# Altium PCB iMX6 Rex_V1I1_PCB.PcbDoc (part 3 of 8)
Units mm, origin at the board's own origin, x right, y up, seen from the top; angles counter-clockwise.
Board outline 70 x 40 mm, 12 copper layers (L1, L2, L3, L4, L5 (PWR), L6 (PWR), L7 (PWR), L8 (PWR), L9, L10, L11, L12), stack 1.566 mm thick; 473 components, 409 nets, 2294 pads, 1880 vias.
Unrouted connection lines stored in the file: 7.
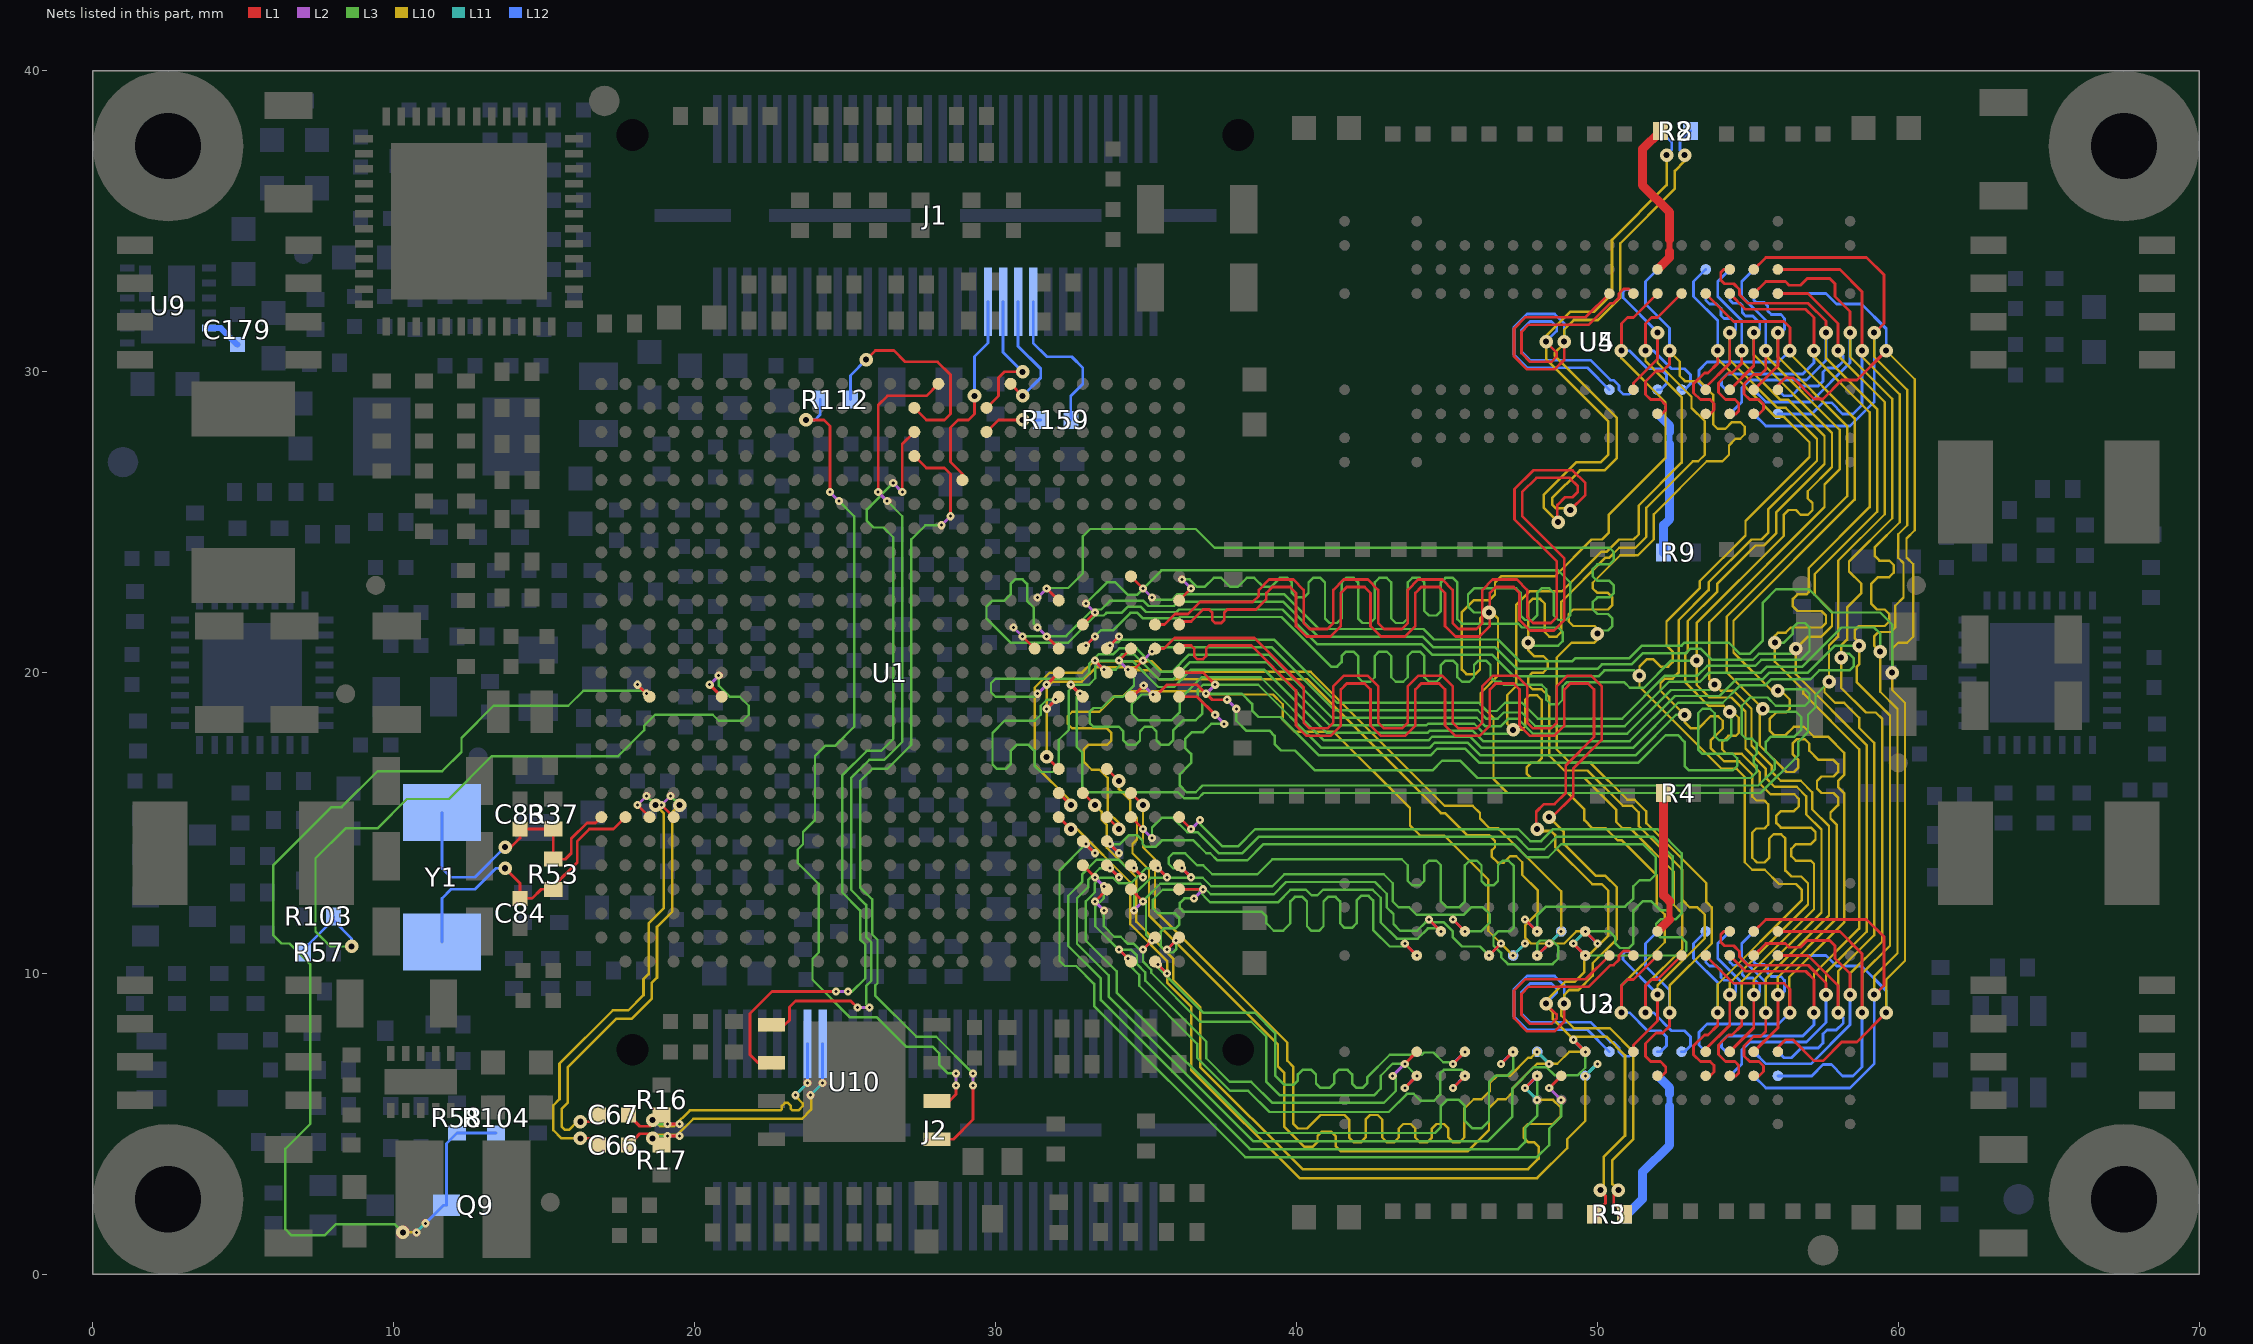
[diagram p13: the nets of this part, all layers, seen from the top]

## Via types
v1: diameter 0.45, hole 0.2, L1 to L12, tented both sides, 761 vias
v2: diameter 0.27, hole 0.1, L1 to L2, 305 vias
v3: diameter 0.27, hole 0.1, L2 to L3, 290 vias
v4: diameter 0.45, hole 0.2, L3 to L10, 196 vias
v5: diameter 0.27, hole 0.1, L11 to L12, 185 vias
v6: diameter 0.27, hole 0.1, L10 to L11, 142 vias
v7: diameter 0.45, hole 0.2, L3 to L10, tented both sides, 1 vias

## Nets (pads, with @x,y where several pads share a name; then routed paths per layer and width w, separated by ;. In a path a pad name is that pad's centre, name@x,y a point inside that pad or via, vN(x,y) a via of type N, cw(c..) or ccw(c..) an arc to the next point about the centre after c; other vN are vias at no path point) (continued)
BOOT_MODE0: Q9.3 R58.2 R104.1 U1.C12 | length 39.1
  L1 w0.093: v2(18.1,19.6) U1.C12@18.5,19.2
  L2 w0.1: v2(18.1,19.6) v3(18.4,19.3)
  L3 w0.08: v4(10.3,1.4) 10.025,1.675 8.075,1.675 7.7,1.3 6.6,1.3 6.4,1.5 6.4,4.175 7.225,5 7.225,10.305 6.53,11 6.27,11 6,11.27 6,13.604 7.926,15.53 8.265,15.53 9.459,16.725 11.608,16.725 12.25,17.367 12.25,17.833 13.317,18.9 15.8,18.9 16.3,19.4 18.3,19.4 v3(18.4,19.3)
  L10 w0.08: v4(10.3,1.4) v6(10.75,1.4)
  L11 w0.1: v6(10.75,1.4) v5(11.05,1.7)
  L12 w0.093: v5(11.05,1.7) 11.65,2.3 Q9.3@11.75,2.3 11.75,4.35 R58.2@12.1,4.7 R104.1@13.4,4.7
BOOT_MODE1: R57.2 R103.1 U1.F12 | length 26.1
  L1 w0.093: v2(20.5,19.6) U1.F12@20.9,19.2
  L2 w0.1: v2(20.5,19.6) v3(20.8,19.9)
  L3 w0.08: v1(8.6,10.9) 7.9,10.9 7.4,11.4 7.4,13.83 8.395,14.825 9.455,14.825 10.43,15.8 11.831,15.8 13.256,17.225 17.461,17.225 18.325,18.089 18.325,18.238 18.687,18.6 20.6,18.6 20.8,18.4 21.6,18.4 21.8,18.6 21.8,18.9 21.5,19.2 21.17,19.2 20.8,19.57 v3(20.8,19.9)
  L12 w0.093: R57.2@7,10.7 7,10.8 R103.1@8,11.8 ; R103.1@8,11.9 R103.1@8,11.8 ; v1(8.6,10.9) 8.6,11.17 8,11.77 R103.1@8,11.8
CFF: C179.2 U9.11 | length 1.2
  L12 w0.2: U9.11@3.86,31.45 4.25,31.45 C179.2@4.8,30.9
CLK1_C_N: C66.1 U1.C7 | length 15.9
  L1 w0.09: v1(16.2,4.525) 16.575,4.525 C66.1@16.8,4.3 ; v2(18.1,15.6) U1.C7@18.5,15.2
  L2 w0.1: v2(18.1,15.6) v3(18.4,15.9)
  L3 w0.085: v3(18.4,15.9) v4(18.7,15.6)
  L10 w0.085: v1(16.2,4.525) 15.575,4.525 15.3,4.8 15.3,5.616 15.508,5.824 15.508,7.004 17.284,8.78 17.8,8.78 18.3,9.28 18.3,9.816 18.468,9.983 18.468,11.664 18.97,12.167 18.97,15.33 v4(18.7,15.6)
CLK1_C_P: C67.1 U1.D7 | length 15.8
  L1 w0.09: v1(16.2,5.075) 16.575,5.075 C67.1@16.8,5.3 ; v2(18.9,15.6) U1.D7@19.3,15.2
  L2 w0.1: v2(18.9,15.6) v3(19.2,15.9)
  L3 w0.085: v3(19.2,15.9) v4(19.5,15.6)
  L10 w0.085: v1(16.2,5.075) 16.096,5.075 15.826,4.805 15.691,4.805 15.58,4.916 15.58,5.5 15.788,5.708 15.788,6.888 17.4,8.5 17.916,8.5 18.58,9.164 18.58,9.7 18.748,9.867 18.748,11.548 19.25,12.051 19.25,15.35 ; 19.25,15.35 v4(19.5,15.6) 19.25,15.35
CLK1_N: C66.2 J2.46 R17.2 | length 11.1
  L1 w0.09: C66.2@17.8,4.3 18.175,4.675 18.525,4.675 R17.2@18.9,4.3 19.2,4.6 v2(19.5,4.6)
  L2 w0.1: v3(19.1,4.6) v2(19.5,4.6)
  L3 w0.085: v4(18.6,4.525) 18.675,4.6 v3(19.1,4.6)
  L10 w0.085: v4(18.6,4.525) 18.725,4.65 19.431,4.65 19.953,5.173 23.568,5.173 23.87,5.474 23.87,5.937 v6(23.85,5.957)
  L11 w0.1: v6(23.85,5.957) v5(24.25,6.358)
  L12 w0.09: v5(24.25,6.358) J2.46@24.25,7.67
CLK1_P: C67.2 J2.48 R16.2 | length 11.1
  L1 w0.09: C67.2@17.8,5.3 18.175,4.925 18.525,4.925 R16.2@18.9,5.3 19.2,5 v2(19.5,5)
  L2 w0.1: v3(19.1,5) v2(19.5,5)
  L3 w0.085: v4(18.6,5.125) 18.725,5 v3(19.1,5)
  L10 w0.085: v4(18.6,5.125) 18.654,5.125 18.849,4.93 19.315,4.93 19.838,5.453 22.853,5.453 22.9,5.5 22.9,5.6 23,5.7 23.1,5.7 23.2,5.6 23.2,5.5 23.247,5.453 23.453,5.453 23.59,5.59 23.59,5.69 23.35,5.931 v6(23.35,5.957)
  L11 w0.1: v6(23.35,5.957) v5(23.75,6.358)
  L12 w0.09: v5(23.75,6.358) J2.48@23.75,7.67
CPU_XTALI: C83.1 R37.1 R53.1 U1.A7 Y1.1 | length 10
  L1 w0.093: v1(13.7,14.2) 13.9,14.2 14.2,14.5 C83.1@14.2,14.8 R37.1@15.3,14.8 R53.1@15.3,13.8 15.7,13.8 15.9,14 15.9,14.483 16.417,15 16.7,15 U1.A7@16.9,15.2
  L12 w0.093: Y1.1@11.6,15.35 11.6,13.5 11.9,13.2 12.7,13.2 v1(13.7,14.2)
CPU_XTALO: C84.1 R53.2 U1.B7 Y1.2 | length 10.2
  L1 w0.093: v1(13.7,13.5) 14.2,13 14.2,12.6 C84.1@14.3,12.6 ; C84.1@14.2,12.5 14.6,12.5 14.9,12.8 R53.2@15.3,12.8 ; R53.2@15.3,12.9 16.1,13.7 16.1,14.4 16.5,14.8 17.3,14.8 U1.B7@17.7,15.2
  L12 w0.093: Y1.2@11.6,11.05 11.6,12.5 11.9,12.8 12.7,12.8 13.4,13.5 v1(13.7,13.5)
CSPI2_CLK: J1.17 R159.2 | length 5.3
  L12 w0.093: J1.17@31.25,32.33 31.25,30.955 31.705,30.5 32.53,30.5 32.9,30.13 32.9,29.6 32.5,29.2 R159.2@32.5,28.4
CSPI2_CLK_R: R159.1 U1.U23 | length 2
  L1 w0.093: U1.U23@29.7,28 30.1,28.4 v1(30.9,28.4)
  L12 w0.093: v1(30.9,28.4) R159.1@31.5,28.4
CSPI2_CS0: J1.19 U1.V25 | length 4.3
  L1 w0.093: U1.V25@30.5,29.6 v1(30.9,29.2)
  L12 w0.093: J1.19@30.75,32.33 30.75,30.85 31.5,30.1 31.5,29.8 v1(30.9,29.2)
CSPI2_MISO: J1.21 U1.U24 | length 4.6
  L1 w0.093: U1.U24@29.7,28.8 30.1,29.2 30.1,29.8 30.3,30 v1(30.9,30)
  L12 w0.093: J1.21@30.25,32.33 30.25,30.65 v1(30.9,30)
CSPI2_MOSI: J1.23 U1.T21 | length 6.8
  L1 w0.093: U1.T21@28.9,26.4 28.9,26.6 28.5,27 28.5,28.15 28.75,28.4 29.1,28.4 29.3,28.6 v1(29.3,29.2)
  L12 w0.093: v1(29.3,29.2) 29.3,30.505 29.75,30.955 J1.23@29.75,32.33
CSPI3_CLK: R112.2 U10.6 | length 29.7
  L1 w0.093: v1(23.7,28.4) 24.3,28.4 24.5,28.2 v2(24.5,26) ; U10.6@28.05,5.765 28.465,5.765 28.688,5.988 v2(28.688,6.28)
  L2 w0.1: v2(24.5,26) v3(24.8,25.7) ; v2(28.688,6.28) v3(28.688,6.68)
  L3 w0.08: v3(24.8,25.7) 25.3,25.2 25.3,18.2 24.675,17.575 24.345,17.575 24,17.23 24,15.1 23.6,14.7 23.6,14.297 23.425,14.122 23.425,13.678 24.125,12.978 24.125,10.7 23.915,10.49 23.915,9.795 25.168,8.543 26.057,8.543 27.027,7.573 27.905,7.573 28.125,7.353 28.125,6.975 28.42,6.68 v3(28.688,6.68)
  L12 w0.093: v1(23.7,28.4) 24,28.4 24.175,28.575 R112.2@24.175,29.075
CSPI3_CLK_R: R112.1 U1.P24 | length 7.6
  L1 w0.093: v1(25.7,30.4) 26.005,30.705 26.625,30.705 27,30.33 28.07,30.33 28.5,29.9 28.5,28.6 28.3,28.4 27.7,28.4 U1.P24@27.3,28.8
  L12 w0.093: R112.1@25.175,29.075 25.175,29.875 v1(25.7,30.4)
CSPI3_CS2: U1.R25 U10.1 | length 28
  L1 w0.093: U10.1@22.55,8.305 23.005,8.305 23.15,8.45 23.15,8.893 23.35,9.093 25.188,9.093 v2(25.413,8.868) ; v2(26.1,26) 26.1,28.895 26.405,29.2 27.7,29.2 U1.R25@28.1,29.6
  L2 w0.1: v2(25.413,8.868) v3(25.812,8.868) ; v2(26.1,26) v3(26.4,25.7)
  L3 w0.08: v3(25.812,8.868) 25.7,8.98 25.7,9.587 25.875,9.762 25.875,11.038 25.7,11.213 25.7,12.283 25.2,12.783 25.2,16.5 25.8,17.1 26.3,17.1 26.9,17.7 26.9,25.2 v3(26.4,25.7)
CSPI3_MISO: U1.P23 U10.2 | length 27.8
  L1 w0.093: U10.2@22.55,7.035 22.107,7.035 21.84,7.302 21.84,8.667 22.573,9.4 v2(24.7,9.4) ; v2(26.9,26) 26.9,27.6 U1.P23@27.3,28
  L2 w0.1: v2(24.7,9.4) v3(25.1,9.4) ; v3(26.6,26.3) v2(26.9,26)
  L3 w0.08: v3(25.1,9.4) 25.23,9.4 25.675,9.845 25.675,10.955 25.5,11.13 25.5,12.1 24.9,12.7 24.9,16.583 25.717,17.4 26.201,17.4 26.6,17.799 26.6,24.5 26.275,24.825 25.945,24.825 25.725,25.045 25.725,25.428 26.597,26.3 v3(26.6,26.3)
CSPI3_MOSI: U1.P22 U10.5 | length 28.2
  L1 w0.093: U1.P22@27.3,27.2 27.7,26.8 28.3,26.8 28.5,26.6 v2(28.5,25.2) ; U10.5@28.05,4.495 28.6,4.495 29.25,5.145 v2(29.25,6.28)
  L2 w0.1: v3(28.2,24.9) v2(28.5,25.2) ; v2(29.25,6.28) v3(29.25,6.68)
  L3 w0.08: v3(28.2,24.9) 27.67,24.9 27.2,24.43 27.2,17.6 26.4,16.8 25.9,16.8 25.5,16.4 25.5,12.866 25.9,12.466 25.9,11.3 26.075,11.125 26.075,9.679 25.998,9.602 25.998,9.272 27.37,7.9 28.03,7.9 v3(29.25,6.68)
DRAM0_ZQ: R4.2 U2.L8 | length 4.8
  L1 w0.2: 52.4,11.8 52.4,12.401
  L1 w0.3: U2.L8@52,11.4 52.4,11.8 ; R4.2@52.2,16 52.2,12.601 52.4,12.401
DRAM1_ZQ: R5.2 U3.L8 | length 5.4
  L12 w0.2: 52.4,5.599 52.4,6.001
  L12 w0.3: R5.2@50.9,2 51,2 51.5,2.5 51.5,3.4 52.4,4.3 52.4,5.599 ; U3.L8@52,6.6 52.4,6.2 52.4,6.001
DRAM2_ZQ: R8.2 U4.L8 | length 5.4
  L1 w0.2: 52.4,33.999 52.4,34.401
  L1 w0.3: U4.L8@52,33.4 52.4,33.8 52.4,33.999 ; R8.2@52.1,38 51.5,37.4 51.5,36.2 52.4,35.3 52.4,34.401
DRAM3_ZQ: R9.2 U5.L8 | length 4.8
  L12 w0.2: 52.4,27.599 52.4,28.001
  L12 w0.3: U5.L8@52,28.6 52.4,28.2 52.4,28.001 ; R9.2@52.2,24 52.2,24.9 52.4,25.1 52.4,27.599
DRAM_A0: U1.AC14 U2.N3 U3.N3 U4.N3 U5.N3 | length 70.8
  L1 w0.093: v2(34.1,20.4) U1.AC14@34.5,20.8 ; U2.N3@53.6,7.4 53.6,7.483 54.4,8.283 v1(54.4,9.3) ; U4.N3@53.6,29.4 53.6,29.483 54.4,30.283 v1(54.4,31.3)
  L2 w0.1: v2(34.1,20.4) v3(34.4,20.1)
  L3 w0.08: v3(34.4,20.1) 34.6,19.9 34.6,19.57 34.23,19.2 33.903,19.2 33.528,18.825 33.25,18.825 33.125,18.7 33.125,18.325 33.25,18.2 34.1,18.2 34.25,18.05 34.25,17.75 34.4,17.6 34.65,17.6 34.8,17.75 34.8,18.05 34.95,18.2 35.2,18.2 35.35,18.05 35.35,17.75 35.5,17.6 35.75,17.6 35.9,17.75 35.9,18.083 36.242,18.425 36.655,18.425 36.875,18.645 36.875,19.022 36.715,19.182 36.715,19.418 36.897,19.6 38.73,19.6 40.83,17.5 44.421,17.5 44.596,17.675 45.687,17.675 46.112,17.25 51.267,17.25 52.617,18.6 v4(52.9,18.6)
  L10 w0.08: v1(54.4,9.3) 54.4,9.691 57,12.291 57,13 56.775,13.225 56.448,13.225 56.25,13.423 56.25,14.488 56.109,14.629 55.859,14.629 55.709,14.479 55.709,13.841 55.559,13.691 55.309,13.691 55.15,13.85 55.15,14.689 55.28,14.82 55.55,14.82 55.675,14.945 55.675,15.625 55.55,15.75 55.28,15.75 55.15,15.88 55.15,16.616 54.716,17.05 54.216,17.05 53.766,17.5 53.766,17.75 54.166,18.15 54.166,18.4 54.016,18.55 53.766,18.55 53.366,18.15 53.116,18.15 52.9,18.366 v4(52.9,18.6) 52.1,19.4 52.1,19.65 52.25,19.8 52.5,19.8 52.7,20 52.7,21.742 53.7,22.742 53.7,23.004 55.121,24.425 55.455,24.425 55.675,24.645 55.675,25.418 57.3,27.043 57.3,27.762 56.262,28.8 55.993,28.8 54.4,30.393 v1(54.4,31.3)
  L12 w0.093: U3.N3@53.6,10.6 53.6,10.383 53.729,10.254 53.963,10.254 54.109,10.109 54.109,9.874 54.208,9.775 54.442,9.775 54.6,9.617 54.6,9.4 54.5,9.3 v1(54.4,9.3) ; U5.N3@53.6,32.6 53.6,32.383 53.729,32.254 53.963,32.254 54.109,32.109 54.109,31.874 54.208,31.775 54.442,31.775 54.6,31.617 54.6,31.4 54.5,31.3 v1(54.4,31.3)
DRAM_A1: U1.AB14 U2.P7 U3.P7 U4.P7 U5.P7 | length 74
  L1 w0.093: U1.AB14@33.7,20.8 v2(34.1,21.2) ; U2.P7@54.4,10.6 54.925,10.075 56.925,10.075 57.2,9.8 v1(57.2,8.7) ; U4.P7@54.4,32.6 54.925,32.075 56.925,32.075 57.2,31.8 v1(57.2,30.7)
  L2 w0.1: v3(33.8,20.9) v2(34.1,21.2)
  L3 w0.08: v3(33.8,20.9) 33.907,21.007 34.076,21.007 34.169,21.1 39.252,21.1 41.352,19 46.059,19 46.334,18.725 46.655,18.725 46.93,19 47.496,19 48.021,18.475 50.828,18.475 52.253,19.9 53.33,19.9 53.655,20.225 55.246,20.225 55.446,20.425 56.755,20.425 57.05,20.72 57.05,21.5 56.9,21.65 56.65,21.65 56.5,21.5 56.5,21.3 56.2,21 v4(55.9,21)
  L10 w0.08: v1(57.2,8.7) 57.2,9.993 58.7,11.493 58.7,17.454 56.85,19.304 56.85,19.413 55.9,20.363 v4(55.9,21) 55.9,21.225 56,21.325 56.255,21.325 56.43,21.5 57.45,21.5 57.6,21.65 57.6,21.9 57.45,22.05 56.65,22.05 56.5,22.2 56.5,22.45 56.65,22.6 56.95,22.6 57.025,22.675 57.025,23.475 59.05,25.5 59.05,28.657 57.2,30.507 v1(57.2,30.7)
  L12 w0.093: U3.P7@54.4,7.4 54.275,7.4 54.125,7.55 54.125,7.742 54.308,7.925 56.825,7.925 57.2,8.3 v1(57.2,8.7) ; U5.P7@54.4,29.4 54.275,29.4 54.125,29.55 54.125,29.742 54.308,29.925 56.825,29.925 57.2,30.3 v1(57.2,30.7)
DRAM_A2: U1.AA14 U2.P3 U3.P3 U4.P3 U5.P3 | length 68.5
  L1 w0.093: U1.AA14@32.9,20.8 v2(33.3,21.2) ; U2.P3@54.4,7.4 55.2,8.2 v1(55.2,9.3) ; U4.P3@54.4,29.4 55.2,30.2 v1(55.2,31.3)
  L2 w0.1: v3(33,20.9) v2(33.3,21.2)
  L3 w0.08: v3(33,20.9) 33.515,21.415 33.918,21.415 34.315,21.812 34.315,21.818 34.482,21.985 34.718,21.985 34.888,21.815 36.094,21.815 36.129,21.85 39.501,21.85 41.151,20.2 41.351,20.2 41.5,20.349 41.5,20.549 41.651,20.699 41.901,20.699 42.051,20.549 42.051,19.85 42.201,19.7 42.451,19.7 42.601,19.85 42.601,20.549 ; 42.6,20.55 42.749,20.699 43.001,20.699 43.151,20.549 43.151,19.85 43.301,19.7 43.551,19.7 43.701,19.85 43.701,20.551 43.849,20.699 44.101,20.699 44.251,20.549 44.251,19.85 44.401,19.7 44.651,19.7 44.801,19.85 44.801,20.249 44.949,20.399 45.201,20.399 45.351,20.249 45.351,19.85 45.501,19.7 45.751,19.7 45.901,19.85 45.901,20.25 46.051,20.4 46.301,20.4 46.451,20.25 46.451,19.851 46.601,19.701 46.782,19.701 46.883,19.6 48.15,19.6 48.3,19.45 48.3,19.099 48.449,18.95 48.7,18.95 48.85,19.1 48.85,19.55 48.975,19.675 50.9,19.675 51.075,19.5 51.55,19.5 52.45,20.4 v4(53.3,20.4)
  L10 w0.08: v1(55.2,9.3) 55.2,9.784 57.45,12.034 57.45,14.783 56.943,15.289 56.943,15.889 56.626,16.207 55.893,16.207 55.6,16.5 55.6,16.8 54.925,17.475 54.925,18.705 54.455,19.175 53.725,19.175 53.3,19.6 v4(53.3,20.4) 53.3,21.65 56.2,24.55 56.2,25.256 56.35,25.406 56.6,25.406 56.756,25.25 57,25.25 57.15,25.4 57.15,25.638 56.994,25.794 56.994,26.029 57.8,26.835 57.8,27.97 55.2,30.57 v1(55.2,31.3)
  L12 w0.093: U3.P3@54.4,10.6 54.4,10.383 54.504,10.279 54.738,10.279 54.816,10.201 54.816,9.967 54.929,9.854 55.163,9.854 55.4,9.617 55.4,9.4 55.3,9.3 v1(55.2,9.3) ; U5.P3@54.4,32.6 54.4,32.383 54.504,32.279 54.738,32.279 54.816,32.201 54.816,31.967 54.929,31.854 55.163,31.854 55.4,31.617 55.4,31.4 55.3,31.3 v1(55.2,31.3)
DRAM_A3: U1.Y14 U2.N2 U3.N2 U4.N2 U5.N2 | length 72.4
  L1 w0.093: v2(31.7,21.2) U1.Y14@32.1,20.8 ; U2.N2@53.6,6.6 53.75,6.6 53.875,6.725 53.875,6.95 53.75,7.075 53.425,7.075 53.2,7.3 53.2,7.6 53.563,7.963 53.68,7.963 54,8.283 v1(54,8.7) ; U4.N2@53.6,28.6 53.75,28.6 53.875,28.725 53.875,28.95 53.75,29.075 53.425,29.075 53.2,29.3 53.2,29.6 53.563,29.963 53.68,29.963 54,30.283 v1(54,30.7)
  L2 w0.1: v3(31.4,21.5) v2(31.7,21.2)
  L3 w0.08: v3(31.4,21.5) 31.275,21.625 31.275,22.155 31.051,22.38 31.051,22.949 30.901,23.099 30.651,23.099 30.501,22.949 30.501,22.601 30.286,22.386 29.886,22.386 29.7,22.2 29.7,21.8 30.5,21 32.414,21 33.314,21.9 33.597,21.9 33.682,21.985 34.185,21.985 34.385,22.185 34.829,22.185 34.999,22.015 36.011,22.015 36.096,22.1 39.534,22.1 40.684,20.95 44.154,20.95 44.504,20.6 46.5,20.6 47.225,19.875 50.033,19.875 50.233,20.075 51.225,20.075 v4(51.4,19.9)
  L10 w0.08: v1(54,8.7) 54,9.645 56.8,12.445 56.8,12.78 56.605,12.975 56.038,12.975 55.563,13.45 55.15,13.45 54.9,13.7 54.9,16.533 54.633,16.8 54.133,16.8 51.4,19.533 v4(51.4,19.9) 51.4,20.2 51.65,20.45 51.85,20.45 52.1,20.2 52.35,20.2 52.5,20.35 52.5,20.7 52.3,20.9 52.3,21.7 53.4,22.8 53.4,23.037 54.925,24.562 54.925,25.038 57.05,27.163 57.05,27.659 56.209,28.5 55.926,28.5 54,30.426 v1(54,30.7)
  L12 w0.093: U3.N2@53.6,11.4 53.2,11 53.2,10.5 54,9.7 v1(54,8.7) ; U5.N2@53.6,33.4 53.2,33 53.2,32.5 54,31.7 v1(54,30.7)
DRAM_A4: U1.W14 U2.P8 U3.P8 U4.P8 U5.P8 | length 75.9
  L1 w0.093: v2(30.9,21.2) U1.W14@31.3,20.8 ; U2.P8@54.4,11.4 54.2,11.4 54.1,11.3 54.1,11.05 54.225,10.925 54.535,10.925 54.725,10.735 54.725,10.558 55.008,10.275 57.008,10.275 57.6,9.683 v1(57.6,9.3) ; U4.P8@54.4,33.4 54.2,33.4 54.1,33.3 54.1,33.05 54.225,32.925 54.535,32.925 54.725,32.735 54.725,32.558 55.008,32.275 57.008,32.275 57.6,31.683 v1(57.6,31.3)
  L2 w0.1: v3(30.6,21.5) v2(30.9,21.2)
  L3 w0.08: v3(30.6,21.5) 30.885,21.215 32.346,21.215 33.231,22.1 33.514,22.1 33.799,22.385 34.912,22.385 35.082,22.215 35.928,22.215 36.063,22.35 39.566,22.35 40.716,21.2 44.187,21.2 44.537,20.85 46.6,20.85 47.325,20.125 50,20.125 50.15,20.275 51.141,20.275 51.516,20.65 52.95,20.65 53.1,20.8 53.43,20.8 53.805,20.425 55.163,20.425 55.363,20.625 56.425,20.625 v4(56.6,20.8)
  L10 w0.08: v1(57.6,9.3) 57.6,10.039 58.95,11.389 58.95,17.596 56.6,19.946 v4(56.6,20.8) 57,21.2 57.45,21.2 57.8,21.55 57.8,22.02 57.225,22.595 57.225,23.275 59.3,25.35 59.3,27.5 59.3,28.761 57.6,30.461 v1(57.6,31.3)
  L12 w0.093: U3.P8@54.4,6.6 54.8,7 54.8,7.46 55.065,7.725 56.95,7.725 57.6,8.375 v1(57.6,9.3) ; U5.P8@54.4,28.6 54.8,29 54.8,29.46 55.065,29.725 56.95,29.725 57.6,30.375 v1(57.6,31.3)
DRAM_A5: U1.AE13 U2.P2 U3.P2 U4.P2 U5.P2 | length 73.2
  L1 w0.093: U1.AE13@36.1,20 36.9,20 v2(37.3,19.6) ; U2.P2@54.4,6.6 54.6,6.6 54.7,6.7 54.7,6.95 54.575,7.075 54.265,7.075 54.025,7.315 54.025,7.625 54.363,7.963 54.48,7.963 54.8,8.283 v1(54.8,8.7) ; U4.P2@54.4,28.6 54.6,28.6 54.7,28.7 54.7,28.95 54.575,29.075 54.265,29.075 54.025,29.315 54.025,29.625 54.363,29.963 54.48,29.963 54.8,30.283 v1(54.8,30.7)
  L2 w0.1: v3(37,19.3) v2(37.3,19.6)
  L3 w0.08: v3(37,19.3) 37.003,19.303 38.183,19.303 38.525,18.961 38.525,18.745 38.745,18.525 39.473,18.525 40.748,17.25 44.454,17.25 44.679,17.475 45.604,17.475 46.079,17 51.35,17 52.275,17.925 52.675,17.925 52.9,17.7 52.9,16.9 53.05,16.75 54.5,16.75 54.65,16.9 54.65,17.15 54.5,17.3 53.5,17.3 53.35,17.45 53.35,18.65 53.5,18.8 53.75,18.8 53.9,18.65 53.9,17.9 54.05,17.75 54.3,17.75 54.45,17.9 54.45,18.65 v4(54.4,18.7)
  L10 w0.08: v1(54.8,8.7) 54.8,9.738 57.2,12.138 57.2,13.65 57.1,13.75 56.6,13.75 56.45,13.9 56.45,14.15 56.6,14.3 57.1,14.3 57.25,14.45 57.25,14.7 57.1,14.85 56.1,14.85 55.95,15 55.95,15.25 56.1,15.4 56.537,15.4 56.693,15.557 56.693,15.807 56.543,15.957 55.757,15.957 55.4,16.313 55.4,16.7 54.8,17.3 54.3,17.3 54.15,17.45 54.15,17.7 54.35,17.9 54.6,17.9 54.7,18 54.7,18.5 54.5,18.7 v4(54.4,18.7) 54.2,18.9 53.7,18.9 52.925,19.675 52.925,20.63 53,20.705 53,21.709 53.991,22.7 53.991,22.962 55.254,24.225 55.538,24.225 55.95,24.637 55.95,25.339 57.55,26.939 57.55,27.866 56.341,29.075 56.071,29.075 54.8,30.346 v1(54.8,30.7)
  L12 w0.093: U3.P2@54.4,11.4 54,11 54,10.5 54.8,9.7 v1(54.8,8.7) ; U5.P2@54.4,33.4 54,33 54,32.5 54.8,31.7 v1(54.8,30.7)
DRAM_A6: U1.AC13 U2.R8 U3.R8 U4.R8 U5.R8 | length 79.7
  L1 w0.093: U1.AC13@34.5,20 v2(34.9,20.4) ; U2.R8@55.2,11.4 55.6,11.8 58.95,11.8 59.525,11.225 59.525,9.6 59.225,9.3 v1(59.2,9.3) ; U4.R8@55.2,33.4 55.6,33.8 58.95,33.8 59.525,33.225 59.525,31.6 59.225,31.3 v1(59.2,31.3)
  L2 w0.1: v2(34.9,20.4) v3(35.2,20.7)
  L3 w0.08: v3(35.2,20.7) 35.35,20.85 39.169,20.85 41.269,18.75 46.026,18.75 46.301,18.475 46.688,18.475 46.888,18.675 47.488,18.675 47.938,18.225 50.911,18.225 52.386,19.7 53.413,19.7 53.713,20 55.434,20 55.634,20.2 56.813,20.2 58.113,21.5 59.2,21.5 59.4,21.3 v4(59.4,20.7)
  L10 w0.08: v1(59.2,9.3) 59.2,9.9 59.975,10.675 59.975,18.791 59.4,19.366 v4(59.4,20.7) 59.2,20.9 59.2,21.2 59.35,21.35 59.75,21.35 59.9,21.5 59.9,22.225 60.175,22.5 60.175,23.645 60,23.82 60,24.6 60.3,24.9 60.3,29.399 59.2,30.499 v1(59.2,31.3)
  L12 w0.093: U3.R8@55.2,6.6 55.6,6.2 58.4,6.2 59.2,7 v1(59.2,9.3) ; U5.R8@55.2,28.6 55.6,28.2 58.4,28.2 59.2,29 v1(59.2,31.3)
DRAM_A7: U1.Y13 U2.R2 U3.R2 U4.R2 U5.R2 | length 71
  L1 w0.093: v2(31.7,19.6) U1.Y13@32.1,20 ; U2.R2@55.2,6.6 55.375,6.6 55.525,6.75 55.525,6.925 55.375,7.075 55.065,7.075 54.875,7.265 54.875,7.592 55.191,7.909 55.426,7.909 55.6,8.083 v1(55.6,8.7) ; U4.R2@55.2,28.6 55.375,28.6 55.525,28.75 55.525,28.925 55.375,29.075 55.065,29.075 54.875,29.265 54.875,29.592 55.191,29.909 55.426,29.909 55.6,30.083 v1(55.6,30.7)
  L2 w0.1: v3(31.4,19.3) v2(31.7,19.6)
  L3 w0.08: v3(31.4,19.3) 31.3,19.2 30,19.2 29.85,19.35 29.85,19.65 30,19.8 32.9,19.8 33.115,20.015 33.115,20.301 33.429,20.615 33.918,20.615 34.11,20.807 34.69,20.807 35.472,20.025 35.859,20.025 36.434,20.6 39.087,20.6 41.187,18.5 45.993,18.5 46.268,18.225 46.795,18.225 47.045,18.475 47.355,18.475 47.855,17.975 50.994,17.975 52.444,19.425 53.725,19.425 v4(53.9,19.6)
  L10 w0.08: v1(55.6,8.7) 55.6,9.83 57.7,11.93 57.7,14.9 57.143,15.457 57.143,16.022 56.759,16.407 56.093,16.407 55.8,16.7 55.8,16.9 55.125,17.575 55.125,18.8 54.525,19.4 54.1,19.4 v4(53.9,19.6) 53.725,19.775 53.725,21.675 57.55,25.5 57.55,26.253 58.05,26.753 58.05,28.073 55.6,30.523 v1(55.6,30.7)
  L12 w0.093: U3.R2@55.2,11.4 54.8,11 54.8,10.5 55.6,9.7 v1(55.6,8.7) ; U5.R2@55.2,33.4 54.8,33 54.8,32.5 55.6,31.7 v1(55.6,30.7)
DRAM_A8: U1.AB13 U2.T8 U3.T8 U4.T8 U5.T8 | length 75.5
  L1 w0.093: v2(33.3,20.4) U1.AB13@33.7,20 ; U2.T8@56,11.4 58.06,11.4 58.8,10.66 v1(58.8,8.7) ; U4.T8@56,33.4 58.06,33.4 58.8,32.66 v1(58.8,30.7)
  L2 w0.1: v2(33.3,20.4) v3(33.6,20.1)
  L3 w0.08: v3(33.6,20.1) 33.997,20.1 34.282,20.385 34.546,20.385 35.406,19.525 35.925,19.525 36.5,20.1 38.921,20.1 41.021,18 44.355,18 44.43,18.075 45.852,18.075 46.202,17.725 51.076,17.725 52.576,19.225 54.055,19.225 54.605,19.775 55.492,19.775 55.717,20 57,20 57.9,20.9 v4(58.7,20.9)
  L10 w0.08: v1(58.8,8.7) 58.8,10 59.725,10.925 59.725,18.575 58.625,19.675 58.625,20.2 58.7,20.275 v4(58.7,20.9) 58.7,21 58.55,21.15 58.55,21.4 58.7,21.55 59.55,21.55 59.7,21.7 59.7,21.95 59.55,22.1 59.3,22.1 59.1,22.3 59.1,22.95 59.325,23.175 59.7,23.175 59.85,23.325 59.85,23.575 59.7,23.725 59.375,23.725 59.225,23.875 59.225,24.175 60.05,25 60.05,29.25 58.8,30.5 v1(58.8,30.7)
  L12 w0.093: U3.T8@56,6.6 57.126,6.6 57.5,6.974 57.776,6.974 58.15,6.6 58.5,6.6 58.8,6.9 v1(58.8,8.7) ; U5.T8@56,28.6 57.126,28.6 57.5,28.974 57.776,28.974 58.15,28.6 58.5,28.6 58.8,28.9 v1(58.8,30.7)
DRAM_A9: U1.AE12 U2.R3 U3.R3 U4.R3 U5.R3 | length 69.7
  L1 w0.093: U1.AE12@36.1,19.2 36.7,19.2 v2(37.3,18.6) ; U2.R3@55.2,7.4 56,8.2 v1(56,9.3) ; U4.R3@55.2,29.4 56,30.2 v1(56,31.3)
  L2 w0.1: v2(37.3,18.6) v3(37.6,18.3)
  L3 w0.08: v3(37.6,18.3) 37.175,18.3 36.9,18.025 36.525,18.025 36.3,17.8 36.3,17.5 36.5,17.3 36.5,17 36.125,16.625 36.125,16.245 36.345,16.025 36.655,16.025 36.88,16.25 55.35,16.25 55.9,16.8 55.9,17.07 55.6,17.37 55.6,17.7 55.775,17.875 56.55,17.875 56.775,18.1 56.775,18.525 56.6,18.7 55.6,18.7 v4(55.5,18.8)
  L10 w0.08: v1(56,9.3) 56,9.877 57.95,11.827 57.95,14.95 57.75,15.15 57.75,15.35 58,15.6 58,15.85 57.85,16 57.45,16 57.3,16.15 57.3,16.4 57.45,16.55 57.85,16.55 58,16.7 58,16.95 57.85,17.1 57.35,17.1 57.041,17.409 57.041,17.641 56.891,17.791 56.641,17.791 56.491,17.641 56.491,17.291 56.683,17.1 56.683,16.85 56.533,16.7 56.283,16.7 55.4,17.583 55.4,18.7 v4(55.5,18.8) 54.3,20 54.3,21.863 58.3,25.863 58.3,28.199 56,30.499 v1(56,31.3)
  L12 w0.093: U3.R3@55.2,10.6 55.2,10.383 55.283,10.3 55.55,10.3 55.663,10.188 55.663,10.02 55.783,9.9 56.1,9.9 56.225,9.775 56.225,9.4 56.125,9.3 v1(56,9.3) ; U5.R3@55.2,32.6 55.2,32.383 55.283,32.3 55.55,32.3 55.663,32.188 55.663,32.02 55.783,31.9 56.1,31.9 56.225,31.775 56.225,31.4 56.125,31.3 v1(56,31.3)